# KiCad board AtariChocXE.kicad_pcb (continued)
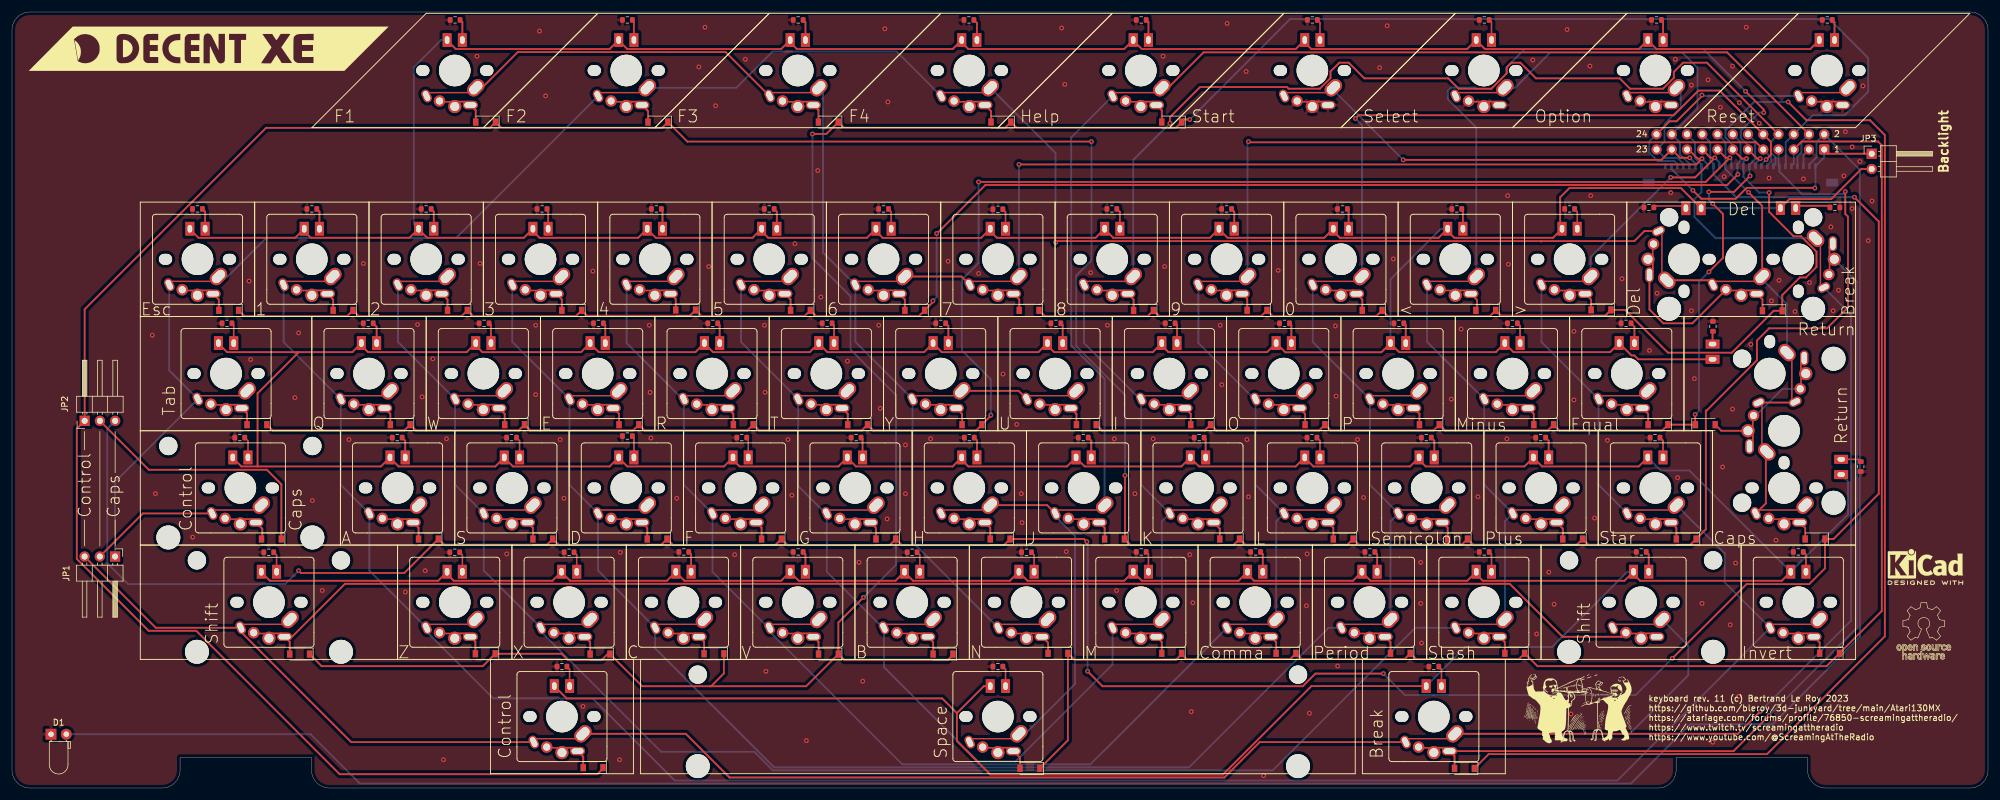
[diagram p0: board, top side]
## Nets
GND: D1.1 J1.3 J2.3 J2.26 R1.2 R2.2 R3.2 R4.2 R5.2 R6.2 R7.2 R8.2 R9.2 R10.2 R11.2 R12.2 R13.2 R14.2 R15.2 R16.2 R17.2 R18.2 R19.2 R20.2 R21.2 R22.2 R23.2 R24.2 R25.2 R26.2 R27.2 R28.2 R29.2 R30.2 R31.2 R32.2 R33.2 R34.2 R35.2 R36.2 R37.2 R38.2 R39.2 R40.2 R41.2 R42.2 R43.2 R44.2 R45.2 R46.2 R47.2 R48.2 R49.2 R50.2 R51.2 R52.2 R53.1 R54.2 R55.2 R56.2 R57.2 R58.2 R59.2 R60.2 R61.2 R62.2 R63.2 R64.2 R65.2 R66.2 R67.2 R68.1 SWOption1.2 SWReset1.2 SWSelect1.2 SWStart1.2
VCC_LED: JP3.2 SW0.4 SW1.4 SW2.4 SW3.4 SW4.4 SW5.4 SW6.4 SW7.4 SW8.4 SW9.4 SWA1.4 SWB1.4 SWBrk1.4 SWBrk2.4 SWC1.4 SWComma1.4 SWCps1.4 SWCtl1.4 SWCtlCaps1.4 SWD1.4 SWDash1.4 SWDel1.4 SWE1.4 SWEqual1.4 SWEsc1.4 SWF1.4 SWFn1.4 SWFn2.4 SWFn3.4 SWFn4.4 SWG1.4 SWGT1.4 SWH1.4 SWHlp1.4 SWI1.4 SWInv1.4 SWJ1.4 SWK1.4 SWL1.4 SWLeftSft1.4 SWLT1.4 SWM1.4 SWN1.4 SWO1.4 SWOption1.4 SWP1.4 SWPeriod1.4 SWPlus1.4 SWQ1.4 SWR1.4 SWReset1.4 SWRet1.4 SWRightSft1.4 SWS1.4 SWSelect1.4 SWSemi1.4 SWSlash1.4 SWSpc1.4 SWStar1.4 SWStart1.4 SWT1.4 SWTab1.4 SWU1.4 SWV1.4 SWW1.4 SWX1.4 SWY1.4 SWZ1.4
COL_1: J1.19 J2.19 SW6.1 SW7.1 SWFn1.1 SWFn3.1 SWN1.1 SWU1.1 SWY1.1
COL_2: J1.4 J2.4 SWH1.1 SWHlp1.1 SWJ1.1 SWSpc1.1
COL_3: J1.8 J2.8 SW5.1 SW8.1 SWB1.1 SWG1.1 SWI1.1 SWK1.1 SWM1.1 SWT1.1
COL_4: J1.9 J2.9 SW4.1 SW9.1 SWComma1.1 SWF1.1 SWL1.1 SWO1.1 SWR1.1 SWV1.1
COL_5: J1.10 J2.10 SW0.1 SW3.1 SWC1.1 SWD1.1 SWE1.1 SWP1.1 SWPeriod1.1 SWSemi1.1
COL_6: J1.11 J2.11 SW2.1 SWDash1.1 SWLT1.1 SWPlus1.1 SWS1.1 SWSlash1.1 SWW1.1 SWX1.1
COL_7: J1.17 J2.17 SW1.1 SWA1.1 SWEqual1.1 SWGT1.1 SWInv1.1 SWQ1.1 SWStar1.1 SWZ1.1
COL_8: J1.16 J2.16 JP1.1 SWCps1.1 SWDel1.1 SWDel2.1 SWEsc1.1 SWFn2.1 SWFn4.1 SWRet1.1 SWRet2.1 SWTab1.1
COL_9: J1.20 J2.20 JP1.3 SWBrk1.1 SWBrk2.1 SWCtl1.1 SWLeftSft1.1 SWRightSft1.1
LED: D1.2 J1.2 J2.2
OPTION: J1.23 J2.23 SWOption1.1
POWER: J1.1 J2.1 J2.25 JP3.1
RESET: J1.24 J2.24 SWReset1.1
ROW_1: D68.1 D79.1 D87.1 D95.1 D103.1 D111.1 D119.1 D126.1 J1.13 J2.13
ROW_2: D69.1 D80.1 D88.1 D96.1 D104.1 D112.1 D120.1 J1.14 J2.14
ROW_3: D70.1 D81.1 D89.1 D97.1 D105.1 D113.1 D121.1 J1.12 J2.12
ROW_4: D71.1 D82.1 D90.1 D98.1 D106.1 D114.1 D122.1 J1.15 J2.15
ROW_5: D72.1 D75.1 D83.1 D91.1 D99.1 D107.1 D115.1 D123.1 D127.1 J1.7 J2.7 JP2.1
ROW_6: D76.1 D84.1 D92.1 D100.1 D108.1 D116.1 D124.1 J1.18 J2.18 JP2.3
ROW_7: D73.1 D77.1 D85.1 D93.1 D101.1 D109.1 D117.1 J1.5 J2.5
ROW_8: D74.1 D78.1 D86.1 D94.1 D102.1 D110.1 D118.1 D125.1 D128.1 J1.6 J2.6
SELECT: J1.22 J2.22 SWSelect1.1
START: J1.21 J2.21 SWStart1.1
Net-(D72-Pad2): D72.2 SWFn1.2
Net-(D74-Pad2): D74.2 SWFn3.2
Net-(D76-Pad2): D76.2 SWH1.2
Net-(D79-Pad2): D79.2 SW8.2
Net-(D80-Pad2): D80.2 SW5.2
Net-(D85-Pad2): D85.2 SWM1.2
Net-(D87-Pad2): D87.2 SW9.2
Net-(D94-Pad2): D94.2 SWV1.2
Net-(D95-Pad2): D95.2 SW0.2
Net-(D96-Pad2): D96.2 SW3.2
Net-(D97-Pad2): D97.2 SWP1.2
Net-(D98-Pad2): D98.2 SWE1.2
Net-(D100-Pad2): D100.2 SWD1.2
Net-(D101-Pad2): D101.2 SWPeriod1.2
Net-(D102-Pad2): D102.2 SWC1.2
Net-(D106-Pad2): D106.2 SWW1.2
Net-(D107-Pad2): D107.2 SWPlus1.2
Net-(D110-Pad2): D110.2 SWX1.2
Net-(D116-Pad2): D116.2 SWA1.2
Net-(D118-Pad2): D118.2 SWZ1.2
Net-(D123-Pad2): D123.2 SWFn2.2
Net-(D127-Pad2): D127.2 SWCtl1.2
Net-(JP2-Pad2): D2.1 JP2.2
Net-(R1-Pad1): R1.1 SW7.3
Net-(R2-Pad1): R2.1 SW6.3
Net-(R3-Pad1): R3.1 SWU1.3
Net-(R4-Pad1): R4.1 SWY1.3
Net-(R5-Pad1): R5.1 SWFn1.3
Net-(R6-Pad1): R6.1 SWN1.3
Net-(R7-Pad1): R7.1 SWFn3.3
Net-(R8-Pad1): R8.1 SWJ1.3
Net-(R9-Pad1): R9.1 SWH1.3
Net-(R10-Pad1): R10.1 SWSpc1.3
Net-(R11-Pad1): R11.1 SWHlp1.3
Net-(R12-Pad1): R12.1 SW8.3
Net-(R13-Pad1): R13.1 SW5.3
Net-(R14-Pad1): R14.1 SWI1.3
Net-(R15-Pad1): R15.1 SWT1.3
Net-(R16-Pad1): R16.1 SWK1.3
Net-(R17-Pad1): R17.1 SWG1.3
Net-(R18-Pad1): R18.1 SWM1.3
Net-(R19-Pad1): R19.1 SWB1.3
Net-(R20-Pad1): R20.1 SW9.3
Net-(R21-Pad1): R21.1 SW4.3
Net-(R22-Pad1): R22.1 SWO1.3
Net-(R23-Pad1): R23.1 SWR1.3
Net-(R24-Pad1): R24.1 SWL1.3
Net-(R25-Pad1): R25.1 SWF1.3
Net-(R26-Pad1): R26.1 SWComma1.3
Net-(R27-Pad1): R27.1 SWV1.3
Net-(R28-Pad1): R28.1 SW0.3
Net-(R29-Pad1): R29.1 SW3.3
Net-(R30-Pad1): R30.1 SWP1.3
Net-(R31-Pad1): R31.1 SWE1.3
Net-(R32-Pad1): R32.1 SWSemi1.3
Net-(R33-Pad1): R33.1 SWD1.3
Net-(R34-Pad1): R34.1 SWPeriod1.3
Net-(R35-Pad1): R35.1 SWC1.3
Net-(R36-Pad1): R36.1 SWLT1.3
Net-(R37-Pad1): R37.1 SW2.3
Net-(R38-Pad1): R38.1 SWDash1.3
Net-(R39-Pad1): R39.1 SWW1.3
Net-(R40-Pad1): R40.1 SWPlus1.3
Net-(R41-Pad1): R41.1 SWS1.3
Net-(R42-Pad1): R42.1 SWSlash1.3
Net-(R43-Pad1): R43.1 SWX1.3
Net-(R44-Pad1): R44.1 SWGT1.3
Net-(R45-Pad1): R45.1 SW1.3
Net-(R46-Pad1): R46.1 SWEqual1.3
Net-(R47-Pad1): R47.1 SWQ1.3
Net-(R48-Pad1): R48.1 SWStar1.3
Net-(R49-Pad1): R49.1 SWA1.3
Net-(R50-Pad1): R50.1 SWInv1.3
Net-(R51-Pad1): R51.1 SWZ1.3
Net-(R52-Pad1): R52.1 SWDel1.3
Net-(R53-Pad2): R53.2 SWEsc1.3
Net-(R54-Pad1): R54.1 SWRet1.3
Net-(R55-Pad1): R55.1 SWTab1.3
Net-(R56-Pad1): R56.1 SWFn2.3
Net-(R57-Pad1): R57.1 SWCps1.3
Net-(R58-Pad1): R58.1 SWFn4.3
Net-(R59-Pad1): R59.1 SWRightSft1.3
Net-(R60-Pad1): R60.1 SWBrk1.3
Net-(R61-Pad1): R61.1 SWCtl1.3
Net-(R62-Pad1): R62.1 SWLeftSft1.3
Net-(R63-Pad1): R63.1 SWStart1.3
Net-(R64-Pad1): R64.1 SWSelect1.3
Net-(R65-Pad1): R65.1 SWOption1.3
Net-(R66-Pad1): R66.1 SWReset1.3
Net-(R67-Pad1): R67.1 SWCtlCaps1.3
Net-(R68-Pad2): R68.2 SWBrk2.3
Net-(SW1-Pad2): D112.2 SW1.2
Net-(SW2-Pad2): D104.2 SW2.2
Net-(SW4-Pad2): D88.2 SW4.2
Net-(SW6-Pad2): D69.2 SW6.2
Net-(SW7-Pad2): D68.2 SW7.2
Net-(SWB1-Pad2): D86.2 SWB1.2
Net-(SWBrk1-Pad2): D126.2 SWBrk1.2 SWBrk2.2
Net-(SWComma1-Pad2): D93.2 SWComma1.2
Net-(SWCps1-Pad2): D124.2 SWCps1.2
Net-(SWCtlCaps1-Pad1): JP1.2 SWCtlCaps1.1
Net-(SWCtlCaps1-Pad2): D2.2 SWCtlCaps1.2
Net-(SWDash1-Pad2): D105.2 SWDash1.2
Net-(SWDel1-Pad2): D119.2 SWDel1.2 SWDel2.2
Net-(SWEqual1-Pad2): D113.2 SWEqual1.2
Net-(SWEsc1-Pad2): D120.2 SWEsc1.2
Net-(SWF1-Pad2): D92.2 SWF1.2
Net-(SWFn4-Pad2): D125.2 SWFn4.2
Net-(SWG1-Pad2): D84.2 SWG1.2
Net-(SWGT1-Pad2): D111.2 SWGT1.2
Net-(SWHlp1-Pad2): D78.2 SWHlp1.2
Net-(SWI1-Pad2): D81.2 SWI1.2
Net-(SWInv1-Pad2): D117.2 SWInv1.2
Net-(SWJ1-Pad2): D75.2 SWJ1.2
Net-(SWK1-Pad2): D83.2 SWK1.2
Net-(SWL1-Pad2): D91.2 SWL1.2
Net-(SWLeftSft1-Pad2): D128.2 SWLeftSft1.2 SWRightSft1.2
Net-(SWLT1-Pad2): D103.2 SWLT1.2
Net-(SWN1-Pad2): D73.2 SWN1.2
Net-(SWO1-Pad2): D89.2 SWO1.2
Net-(SWQ1-Pad2): D114.2 SWQ1.2
Net-(SWR1-Pad2): D90.2 SWR1.2
Net-(SWRet1-Pad2): D121.2 SWRet1.2 SWRet2.2
Net-(SWS1-Pad2): D108.2 SWS1.2
Net-(SWSemi1-Pad2): D99.2 SWSemi1.2
Net-(SWSlash1-Pad2): D109.2 SWSlash1.2
Net-(SWSpc1-Pad2): D77.2 SWSpc1.2
Net-(SWStar1-Pad2): D115.2 SWStar1.2
Net-(SWT1-Pad2): D82.2 SWT1.2
Net-(SWTab1-Pad2): D122.2 SWTab1.2
Net-(SWU1-Pad2): D70.2 SWU1.2
Net-(SWY1-Pad2): D71.2 SWY1.2

Pads without a net: J2 MP

## Via types
v1: diameter 0.8, hole 0.4, Top to Bottom, 209 vias

## Routing (per net, layer and track width the routed paths; a pad name or vN(x,y) marks a point on that pad's centre or on a via; arc(x,y) is an arc through that point)
GND: length 3.2
  Bottom w0.305: J2.3 298.45,105.46 J1.3
  vias: v1(23.37,75.45) v1(23.88,49.04) v1(30.1,41.8) v1(39.5,84.47) v1(39.75,71.39) v1(47.12,65.04) v1(47.75,75.83) v1(50.04,47.89) v1(51.69,32.91) v1(56.13,58.05) v1(58.55,87.39) v1(65.53,32.65) v1(67.56,77.23) v1(68.33,65.16) v1(68.83,36.21) v1(70.1,71.52) v1(71.88,4.71) v1(72.39,58.18) v1(77.47,121.93) v1(77.98,87.39) v1(82.42,39) v1(87.25,77.1) v1(87.25,65.55) v1(87.88,126.12) v1(88.9,115.33) v1(91.31,58.05) v1(91.95,48.27) v1(95.12,13.6) v1(96.77,86.12) v1(101.22,4.71) v1(101.35,39.26) v1(106.17,77.1) v1(106.3,65.93) v1(106.43,58.31) v1(110.74,48.27) v1(114.43,120.16) v1(115.44,126.76) v1(116.08,86.88) v1(117.22,113.68) v1(120.4,38.88) v1(122.17,121.43) v1(125.35,77.1) v1(125.48,65.93) v1(125.6,19.44) v1(129.29,58.05) v1(129.92,48.78) v1(130.43,90.69) v1(132.33,7.89) v1(134.24,102.88) v1(134.75,81.8) v1(139.19,71.13) v1(141.1,37.61) v1(141.73,17.79) v1(144.4,77.1) v1(144.65,63.26) v1(145.42,126.51) v1(145.8,44.84) v1(145.92,114.31) v1(148.84,57.16) v1(148.84,49.04) v1(153.04,58.18) v1(155.96,87.77) v1(161.04,85.74) v1(165.1,68.97) v1(167.39,60.59) v1(168.15,49.04) v1(168.27,44.21) v1(174.88,126.63) v1(175.39,117.23) v1(175.64,39.38) v1(179.7,85.87) v1(182.5,77.1) v1(183.64,58.18) v1(184.02,32.91) v1(187.07,49.04) v1(190.12,58.18) v1(191.77,121.93) v1(192.02,86.88) v1(196.21,38.88) v1(196.47,12.71) v1(196.72,30.88) v1(201.3,77.1) v1(201.55,67.2) v1(202.44,127.39) v1(205.61,119.39) v1(205.74,58.05) v1(205.99,48.53) v1(208.53,2.05) v1(210.95,86.25) v1(215.65,30.37) v1(215.77,39) v1(216.15,12.46) v1(220.47,76.98) v1(220.6,65.29) v1(220.85,20.33) v1(224.15,58.05) v1(225.17,48.4) v1(227.84,120.03) v1(229.11,127.01) v1(230.12,88.15) v1(234.7,37.61) v1(234.7,30.75) v1(234.82,24.14) v1(239.78,64.78) v1(241.43,76.47) v1(244.22,48.53) v1(249.05,58.18) v1(249.17,98.69) v1(249.3,87.26) v1(253.37,121.3) v1(254,25.67) v1(256.03,35.95) v1(256.92,30.62) v1(259.08,126.38) v1(259.71,12.33) v1(260.22,76.09) v1(260.22,64.66) v1(262.89,120.28) v1(263.02,98.69) v1(263.65,44.97) v1(265.81,57.93) v1(268.22,84.85) v1(272.8,72.91) v1(274.07,82.44) v1(276.35,99.2) v1(277.11,121.43) v1(277.5,51.7) v1(279.78,117.11) v1(279.78,79.52) v1(280.29,68.21) v1(281.56,30.75) v1(282.57,118) v1(283.34,7.63) v1(284.61,113.42) v1(284.99,53.48) v1(285.24,101.87) v1(286.26,27.19) v1(286.64,120.28) v1(286.64,63.13) v1(287.15,37.48) v1(287.65,15.25) v1(287.78,114.19) v1(288.93,126.76) v1(289.69,73.93) v1(291.08,110.76) v1(292.74,101.61) v1(293.12,81.17) v1(293.88,41.29) v1(294.39,84.6) v1(297.05,79.39) v1(298.45,101.49) v1(299.47,84.22) v1(303.02,93.49) v1(303.4,79.52) v1(304.29,82.94) v1(305.18,102) v1(305.44,109.36) v1(306.58,106.82) v1(306.58,96.53) v1(307.85,104.41) v1(308.36,116.98) v1(309.25,91.2) v1(309.88,97.8)
VCC_LED: length 1667.7
  Top w0.305: SWQ1.4 56.7,72.63 47.77,72.63 ; SW1.4 47.18,91.68 31.07,91.68 29.63,93.12 ; SW3.4 85.28,91.68 69.17,91.68 67.73,93.12 ; SWFn2.4 99.57,123.13 73.93,123.13 72.49,124.57 ; SW2.4 66.23,91.68 49.78,91.68 48.68,92.78 ; 129.64,124.23 130.74,123.13 156.72,123.13 SWFn4.4 ; 157.42,12.47 161.93,16.98 SWSpc1.4 ; 157.42,12.47 154.96,14.93 92.4,14.93 SWCtl1.4 ; 157.42,12.47 157.42,7.81 162.98,2.25 201.75,2.25 216.48,16.98 SWBrk2.4 ; 41.54,35.97 42.97,34.53 70.99,34.53 SWZ1.4 ; 134.4,74.07 135.84,72.63 151.95,72.63 SWY1.4 ; SWInv1.4 294.83,34.53 271.24,34.53 270.14,35.63 ; 167.74,35.97 169.18,34.53 185.29,34.53 SWM1.4 ; 158.22,124.23 159.32,123.13 185.29,123.13 SWHlp1.4 ; 115.36,74.07 116.79,72.63 132.9,72.63 SWT1.4 ; 243.94,35.63 245.04,34.53 268.63,34.53 SWRightSft1.4 ; 253.47,55.02 254.91,53.58 271.02,53.58 SWStar1.4 ; 82.02,55.02 83.46,53.58 99.57,53.58 SWD1.4 ; 91.54,35.97 92.98,34.53 109.09,34.53 SWC1.4 ; 201.08,93.12 202.52,91.68 218.63,91.68 SW0.4 ; SW4.4 104.33,91.68 87.88,91.68 86.78,92.78 ; SW9.4 199.58,91.68 183.47,91.68 182.03,93.12 ; SWDash1.4 247.2,72.63 231.09,72.63 229.65,74.07 ; SWOption1.4 271.03,123.13 245.38,123.13 243.94,124.57 ; 72.49,35.63 73.59,34.53 90.04,34.53 SWX1.4 ; 148.69,35.97 150.13,34.53 166.24,34.53 SWN1.4 ; 186.79,35.97 188.23,34.53 204.34,34.53 SWComma1.4 ; 62.97,55.02 64.41,53.58 80.52,53.58 SWS1.4 ; 143.93,92.78 145.05,91.66 161.46,91.66 SW7.4 ; SWR1.4 113.85,72.63 97.74,72.63 96.31,74.07 ; SWB1.4 147.19,34.53 131.08,34.53 129.64,35.97 ; SWA1.4 61.47,53.58 40.91,53.58 ; 101.07,55.02 102.51,53.58 118.62,53.58 SWF1.4 ; SWPeriod1.4 223.39,34.53 206.94,34.53 205.84,35.63 ; 58.2,73.73 59.31,72.63 75.75,72.63 SWW1.4 ; SWReset1.4 299.59,123.13 273.97,123.13 272.53,124.57 ; SWG1.4 137.67,53.58 121.22,53.58 120.12,54.68 ; SWP1.4 228.13,72.61 212.13,72.61 SWO1.4 209.1,72.63 192.66,72.63 191.56,73.73 ; JP3.2 308.11,103.14 303.09,98.13 296.12,98.13 SWBrk1.4 ; 105.83,93.12 107.27,91.68 123.38,91.68 SW5.4 ; 77.25,73.73 78.36,72.63 94.8,72.63 SWE1.4 ; 47.77,72.63 35.83,72.63 34.39,74.07 ; 47.77,72.63 40.91,65.77 40.91,53.58 ; 101.07,124.57 102.51,123.13 128.14,123.13 SWFn3.4 ; SWDel1.4 278.04,99.96 262.89,99.96 262.88,99.97 259.47,99.97 257.92,98.42 257.92,93.49 SWGT1.4 256.73,91.68 240.28,91.68 239.18,92.78 ; 186.79,124.57 188.23,123.13 213.87,123.13 SWStart1.4 ; SW6.4 142.43,91.68 125.98,91.68 124.88,92.78 ; SWK1.4 194.82,53.58 178.71,53.58 177.27,55.02 ; SWJ1.4 175.77,53.58 159.32,53.58 158.22,54.68 ; SWPlus1.4 251.97,53.58 235.52,53.58 234.42,54.68 ; 215.37,55.02 216.81,53.58 232.92,53.58 SWSemi1.4 ; SW8.4 180.53,91.68 164.08,91.68 162.98,92.78 ; 220.13,92.78 221.23,91.68 237.68,91.68 SWLT1.4 ; SWH1.4 156.72,53.58 140.61,53.58 139.17,55.02 ; 248.7,74.07 250.14,72.63 266.25,72.63 SWEqual1.4 269.81,72.08 270.28,72.08 270.93,71.43 SWRet1.4 ; SWI1.4 190.05,72.63 173.61,72.63 172.5,73.73 ; SWSlash1.4 242.44,34.53 226.33,34.53 224.89,35.97 ; SWV1.4 128.14,34.53 112.03,34.53 110.59,35.97 ; 196.32,55.02 197.76,53.58 213.87,53.58 SWL1.4 ; SWU1.4 171,72.63 154.89,72.63 153.45,74.07 ; 40.91,53.58 38.21,53.58 36.77,55.02 ; 215.37,124.23 216.47,123.13 242.44,123.13 SWSelect1.4
  Bottom w0.305: SWDel1.4 294.59,96.6 ; SWRightSft1.4 269.11,36.03 256.58,23.5 242.13,23.5 SWBrk2.4 ; SWLT1.4 238.07,93.18 229.65,84.76 SWP1.4 ; SWStar1.4 274.7,52.9 279.46,52.9 SWInv1.4 305.87,45.57 305.87,51.1 SWCps1.4 ; SWFn1.4 71.47,124.63 66.93,120.09 66.93,93.98 SW2.4
COL_1: length 316
  Top w0.305: SWFn3.1 118.89,122.62 84.26,122.62 78.31,116.68 ; SWU1.1 167.69,66.18 SWY1.1 ; v1(167.77,103.9) 280.59,103.9 v1(281.56,104.86) 280.84,104.86 279.31,106.39 ; SW6.1 158.17,85.23 SW7.1
  Bottom w0.305: J2.19 282.45,103.97 v1(281.56,104.86) ; SWN1.1 150.02,40.99 150.02,64.8 140.5,74.33 SW6.1 135.11,89.24 135.11,115.98 SWFn3.1 ; v1(167.77,103.9) 167.75,103.88 SW7.1
COL_2: length 246.7
  Top w0.305: J1.4 285.73,122.58 198.51,122.58 192.61,116.68 ; SWH1.1 172.46,47.13 SWJ1.1
  Bottom w0.305: 173.84,45.24 177.09,41.99 177.09,17.31 168.8,9.03 ; SWHlp1.1 176.47,108.41 176.47,73.73 182.04,68.16 SWJ1.1 ; J1.4 298.11,107.66 298.11,105.88 297.45,105.22 J2.4
COL_3: length 347.6
  Top w0.305: J1.8 282.37,120.85 278.39,120.85 276.86,119.32 276.86,118.33 275.05,116.52 269.57,116.52 267.85,118.25 253.89,118.25 251.28,120.85 249.8,120.85 249.04,120.09 249.04,119.1 246.47,116.52 241,116.52 239.27,118.25 225.31,118.25 222.71,120.85 221.12,120.85 219.66,119.39 219.66,118.3 217.89,116.52 212.68,116.52 212.4,116.8 197.94,116.8 192.91,111.77 v1(192.91,110.76)
  Bottom w0.305: SW8.1 186.8,104.65 v1(192.91,110.76) ; SW5.1 121.45,74.33 SWT1.1 130.98,50.32 135.54,45.75 ; J1.8 293.1,107.73 293.1,105.81 293.1,105.81 293.79,105.12 293.79,103.95 J2.8 ; 145.07,26.7 135.74,36.03 SWG1.1 ; SWM1.1 191.56,44.42 SWK1.1 188.12,50.51 SWI1.1 ; SWB1.1 145.26,20.13 160.95,4.45 167.21,4.45 183.36,20.6 SWM1.1 ; SW8.1 178.6,74.13 187.93,64.8
COL_4: length 335.9
  Top w0.305: v1(205.99,107.71) 206.11,107.59 290.56,107.59 J1.9
  Bottom w0.305: 206.98,64.8 197.65,74.13 SW9.1 ; SWO1.1 207.18,50.51 SWL1.1 210.61,44.42 SWComma1.1 ; 126.21,26.06 148.33,3.94 179.66,3.94 SWComma1.1 ; v1(205.99,107.71) 205.85,107.57 SW9.1 ; 126.02,26.7 116.69,36.03 SWF1.1 111.92,50.51 111.92,64.8 ; SW4.1 102.4,74.13 111.73,64.8 ; 292.45,103.85 293.03,104.43 293.03,105.12 J1.9
COL_5: length 370.7
  Top w0.305: v1(223.81,111.56) 224.35,112.1 276.85,112.1 280.96,116.21 284.48,116.21 J1.10 293.03,107.66 293.03,105.5 v1(292.24,104.71)
  Bottom w0.305: 291.45,103.92 v1(292.24,104.71) ; SW0.1 224.9,110.47 v1(223.81,111.56) ; SW3.1 83.35,74.33 SWE1.1 92.88,50.51 SWD1.1 97.64,36.22 SWC1.1 107.16,23.25 126.97,3.44 196.08,3.44 219.34,26.7 SWPeriod1.1 ; SW0.1 216.7,74.33 SWP1.1 226.23,50.51 SWSemi1.1 229.66,44.42 SWPeriod1.1
COL_6: length 407.9
  Top w0.305: v1(291.25,104.86) 290.74,104.86 J1.11 ; v1(291.85,112.54) 291.85,113.04 v1(288.8,116.09)
  Bottom w0.305: SWLT1.1 243.95,110.06 239.21,114.8 239.21,116.13 239.8,116.73 243.75,116.73 244.01,116.47 246.42,116.47 248.92,118.98 248.92,120.03 252.02,123.13 281.76,123.13 v1(288.8,116.09) ; SWLT1.1 235.75,74.33 SWDash1.1 245.27,50.51 SWPlus1.1 248.71,44.42 SWSlash1.1 ; 88.11,26.06 108.13,6.04 123.66,6.04 126.76,2.93 210.02,2.93 233.79,26.7 SWSlash1.1 ; J2.11 290.45,104.06 v1(291.25,104.86) ; SWX1.1 78.59,36.22 SWS1.1 73.83,50.51 SWW1.1 64.3,74.33 SW2.1 ; v1(291.85,112.54) 291.08,112.54 288.02,109.47 288.02,108.3 289.22,107.1 J1.11
COL_7: length 417.7
  Top w0.305: v1(276.35,101.74) 280.42,101.74 v1(283.69,105.01) 282.98,105.01 J1.17
  Bottom w0.305: SWStar1.1 285.33,39.08 285.33,34.27 SWInv1.1 267.45,1.25 110.4,1.25 96.72,14.93 80.19,14.93 69.06,26.06 ; J2.17 284.45,104.25 v1(283.69,105.01) ; SW1.1 45.25,74.33 54.78,64.8 54.78,50.51 SWA1.1 59.54,36.22 SWZ1.1 ; v1(276.35,101.74) 272.76,98.15 272.7,98.15 263,88.45 SWGT1.1 ; SWGT1.1 254.8,74.33 SWEqual1.1 264.32,50.51 SWStar1.1
COL_8: length 380.2
  Top w0.305: 292.19,55.87 292.19,47.42 SWCps1.1 ; SWDel2.1 282.62,84.6 SWDel1.1 ; SWRet2.1 296.96,64.22 ; v1(289.31,99.25) 291.57,96.98 SWDel2.1 ; v1(173.86,90.93) 174.06,91.13 254.7,91.13 254.76,91.07 254.82,91.13 270.29,91.13 271.96,92.8 SWDel1.1
  Bottom w0.305: SWRet1.1 295.71,80.61 291.57,84.74 ; JP1.1 17.17,51.01 SWTab1.1 26.2,69.56 SWEsc1.1 ; SWEsc1.1 35.94,85.23 42.39,91.68 74.02,91.68 SWFn2.1 ; v1(173.86,90.93) 173.86,105.8 SWFn4.1 ; SWFn2.1 120.67,116.68 126.69,122.7 147.39,122.7 SWFn4.1 ; J1.16 285.45,107.62 J2.16 285.45,103.11 v1(289.31,99.25)
COL_9: length 451.7
  Top w0.305: v1(291.27,12.78) 287.53,9.03 SWBrk2.1 ; SWCtl1.1 56.51,7.65 38.11,26.06 ; SWCtl1.1 112.25,9.03 119.54,1.74 201.96,1.74 207.87,7.65 SWBrk2.1 ; SWLeftSft1.1 23.96,26.7 12.09,38.57
  Bottom w0.305: J2.20 281.45,99.25 280.29,98.09 280.29,95.14 283.83,91.6 SWBrk1.1 ; SWBrk1.1 306.37,78.88 306.37,27.88 v1(291.27,12.78) ; J1.20 280.4,107.59 280.4,104.96 281.45,103.91 ; SWRightSft1.1 279.27,23.71 279.27,18.81 269.49,9.03 SWBrk2.1
LED: length 404.6
  Bottom w0.305: 299.45,103.91 300.65,105.11 300.65,107.66 J1.2 307.85,103 307.85,25.16 293.31,10.62 279.59,10.62 269.72,0.74 57.94,0.74 49.73,8.96 D1.2
OPTION: length 18.1
  Bottom w0.305: J2.23 278.45,104.01 277.5,104.97 275.4,104.97 J1.23 275.32,107.73 275.32,110.68 278,113.36 278,115.98 SWOption1.1
POWER: length 42.4
  Top w0.305: J1.1 302.62,105.68 JP3.1 ; v1(300.35,99.96) 300.32,100 288.99,100 287.18,98.19 281.43,98.19 v1(280.03,99.58)
  Bottom w0.305: v1(300.35,99.96) 300.45,100.06 J2.1 301.92,105.08 J1.1 ; v1(280.03,99.58) 276.45,103.17 J2.25
RESET: length 35.6
  Top w0.305: v1(281.55,115.46) 281.55,115.32 277.32,111.09 276.14,111.09 J1.24
  Bottom w0.305: 277.45,103.93 276.92,104.46 274.21,104.46 272.78,105.89 272.78,107.73 J1.24 ; v1(281.55,115.46) 281.71,115.3 SWReset1.1
ROW_1: length 367.2
  Top w0.305: D126.1 246.01,5.65 292.4,5.65 312.01,25.26 312.01,108.79 309.53,111.27 298.96,111.27 v1(295.91,114.31) ; v1(288.96,104.86) 288.2,104.86 J1.13 ; D68.1 172.08,78.62 189.2,78.62 D79.1 191.09,78.64 208.13,78.64 D87.1 210.03,78.64 227.3,78.64 228.26,79.59 229.21,78.64 246.23,78.64 D103.1 248.06,78.71 265.43,78.71 D111.1 268.75,79.66 275.88,72.53 286.52,72.53 293.5,79.52 D119.1 294.92,82.14 297.86,85.07 298.88,85.07 300.63,86.82 300.63,89.35 298.05,91.93 296.81,91.93 292.74,96.01 v1(292.74,99.2)
  Bottom w0.305: v1(295.91,114.31) 290.23,114.31 285.48,109.56 285.48,108.37 286.68,107.16 J1.13 ; v1(292.74,99.2) 291.08,99.2 288.45,101.84 J2.13 288.45,104.35 v1(288.96,104.86)
ROW_2: length 277.7
  Top w0.305: v1(154.05,92.41) 154.11,92.41 162.17,100.47 285.75,100.47 v1(287.53,102.25) ; v1(153.42,81.17) 153.42,80.95 D69.1 151.1,78.64 133.96,78.64 D80.1 132.05,78.64 114.89,78.64 D88.1 112.93,78.69 95.81,78.69 D96.1 93.95,78.64 76.81,78.64 D104.1 74.9,78.64 57.76,78.64 D112.1 55.85,78.64 38.71,78.64 D120.1
  Bottom w0.305: v1(287.53,102.25) 287.45,102.33 J2.14 287.45,103.96 287.95,104.46 287.95,107.66 J1.14 ; v1(153.42,81.17) 154.05,81.8 v1(154.05,92.41)
ROW_3: length 161
  Top w0.305: v1(282.7,99.33) 286.89,99.33 v1(289.56,102) ; v1(280.42,62.24) 280.42,60.58 ; v1(283.34,97.35) 285.05,95.64 285.05,88.34 v1(282.7,85.99) ; D121.1 D113.1 274.93,59.59 257.78,59.59 D105.1 255.88,59.59 238.73,59.59 D97.1 236.83,59.59 219.68,59.59 D89.1 217.78,59.59 200.63,59.59 D81.1 198.73,59.59 181.58,59.59 D70.1
  Bottom w0.305: J1.12 290.42,107.73 290.42,104.8 289.45,103.82 ; v1(289.56,102) 289.45,102.11 J2.12 ; v1(282.7,99.33) 282.7,97.99 v1(283.34,97.35) ; v1(280.42,62.24) 281.04,62.87 281.04,84.33 v1(282.7,85.99)
ROW_4: length 299
  Top w0.305: D122.1 43.41,59.59 65.38,59.59 D114.1 67.28,59.59 84.43,59.59 D106.1 86.33,59.59 103.48,59.59 D98.1 105.38,59.59 122.53,59.59 D90.1 124.43,59.59 141.58,59.59 D82.1 143.48,59.59 160.63,59.59 D71.1 163.07,62.03 v1(163.07,62.12) ; J1.15 285.51,105.02 v1(286.2,105.02) 282.16,100.98 v1(161.04,100.98)
  Bottom w0.305: v1(163.07,62.12) 163.07,68.08 158.24,72.9 158.24,84.68 161.04,87.48 v1(161.04,100.98) ; J2.15 286.45,104.77 v1(286.2,105.02)
ROW_5: length 588.4
  Top w0.305: D75.1 186.35,40.47 203.49,40.47 D83.1 205.46,40.54 222.48,40.54 D91.1 224.38,40.54 241.53,40.54 D99.1 243.43,40.54 260.71,40.54 D107.1 262.61,40.54 279.63,40.54 D115.1 282.19,43.1 282.19,62.88 282.31,62.88 290.7,71.27 290.7,74.56 292.74,76.59 302.39,76.59 305.87,80.08 305.87,95.21 305.42,95.66 v1(305.42,99.39) ; 98.46,3.24 97.52,2.3 54.59,2.3 30.69,26.2 22.76,26.2 10.8,38.16 10.8,59.87 JP2.1 12.1,79.77 42.33,110 79.59,110 D72.1 81.51,110.01 108.31,110.01 D123.1 112.51,107.71 v1(179.83,107.71) ; 185.42,41.58 v1(185.42,52.08)
  Bottom w0.305: J1.7 294.3,103.76 J2.7 294.45,102.69 298.2,98.95 304.97,98.95 v1(305.42,99.39) ; v1(185.42,52.08) 185.42,65.49 177.29,73.62 177.29,85.38 179.83,87.92 v1(179.83,107.71)
ROW_6: length 453.8
  Top w0.305: v1(179.2,19.44) 181.68,16.96 215.05,16.96 217.15,19.06 v1(228.47,19.06) ; v1(47.75,36.21) 48.13,35.83 65.37,35.83 D116.1 71.98,40.54 89.13,40.54 D108.1 91.03,40.54 108.18,40.54 D100.1 110.15,40.47 127.17,40.47 D92.1 129.2,40.47 146.21,40.47 D84.1 148.25,40.47 165.26,40.47 166.28,41.49 178.61,41.49 v1(179.07,41.03) ; v1(306.96,98.44) 311,94.39 311,49.04 303.46,41.49 D124.1 302.04,36.6 299.42,33.98 288.98,33.98 v1(276.61,21.6)
  Bottom w0.305: v1(306.96,98.44) 287.26,98.44 283.45,102.25 J2.18 283.45,104.03 282.94,104.54 282.94,107.59 J1.18 ; v1(179.2,19.44) 179.2,40.91 v1(179.07,41.03) ; v1(276.61,21.6) 270.48,15.48 232.06,15.48 v1(228.47,19.06) ; v1(47.75,36.21) 45.52,33.98 19.36,33.98 15.88,37.46 15.88,59.87 JP2.3
ROW_7: length 260.6
  Top w0.305: J1.5 298.18,107.73 310.88,107.73 311.51,107.1 311.51,29.49 D117.1 302.31,20.3 254.15,20.3 D109.1 251.05,21.49 233.91,21.49 D101.1 232,21.49 214.86,21.49 D93.1 212.95,21.49 195.68,21.49 194.86,22.31 193.9,21.36 177.01,21.36 175.93,22.44 ; D77.1 175.91,7.94 D73.1
  Bottom w0.305: J1.5 296.84,104 J2.5
ROW_8: length 432.7
  Top w0.305: D128.1 51.58,20.3 78.43,20.3 D118.1 91.57,22.37 92.64,21.3 98.21,21.3 99.23,22.31 D110.1 104.97,16.96 116.27,16.96 ; 116.27,16.96 132.31,16.96 D94.1 ; 116.27,16.96 116.48,16.96 118.6,19.08 D102.1 ; D94.1 137.67,27.57 v1(141.86,31.76) ; D94.1 138.68,21.3 155.87,21.3 156.76,22.19 ; v1(196.21,111.39) 195.29,111.39 D78.1 193.9,110.01 167.36,110.01 D125.1 165.46,110.01 138.61,110.01 D74.1 135.68,108.98 v1(133.35,108.98)
  Bottom w0.305: v1(141.86,31.76) 147.27,37.17 147.27,65.47 139.7,73.04 139.7,81.92 133.35,88.27 v1(133.35,108.98) ; v1(196.21,111.39) 212.97,128.15 302.72,128.15 309.25,121.62 309.25,116.04 305.3,112.1 300.01,112.1 J1.6 295.5,107.59 295.5,103.66
SELECT: length 55
  Bottom w0.305: J2.22 279.45,104.01 277.86,105.61 277.86,107.59 J1.22 280.8,113.21 280.8,120.03 278.27,122.56 275.07,122.56 275.05,122.58 256.29,122.58 250.4,116.68 SWSelect1.1
START: length 67.3
  Top w0.305: v1(279.51,105.01) 277.89,105.01 J1.21 274.79,104.66 v1(231.77,104.66)
  Bottom w0.305: v1(231.77,104.66) 220.14,116.3 ; J2.21 280.45,104.08 v1(279.51,105.01)
Net-(D72-Pad2): length 3.2
  Top w0.305: SWFn1.2 77.26,112.91 D72.2
Net-(D74-Pad2): length 3.2
  Top w0.305: SWFn3.2 134.36,112.96 D74.2
Net-(D76-Pad2): length 3.1
  Top w0.305: D76.2 162.98,43.36 SWH1.2
Net-(D79-Pad2): length 3.2
  Top w0.305: SW8.2 186.86,81.39 D79.2
Net-(D80-Pad2): length 3.2
  Top w0.305: D80.2 129.71,81.39 SW5.2
Net-(D85-Pad2): length 3.3
  Top w0.305: SWM1.2 191.56,24.31 191.56,22.31
Net-(D87-Pad2): length 3.1
  Top w0.305: SW9.2 205.78,81.52 D87.2
Net-(D94-Pad2): length 3.2
  Top w0.305: D94.2 134.37,24.34 SWV1.2
Net-(D95-Pad2): length 3.2
  Top w0.305: SW0.2 224.96,81.39 D95.2
Net-(D96-Pad2): length 3.2
  Top w0.305: D96.2 91.61,81.39 SW3.2
Net-(D97-Pad2): length 3.2
  Top w0.305: SWP1.2 234.48,62.34 D97.2
Net-(D98-Pad2): length 3.2
  Top w0.305: D98.2 101.13,62.34 SWE1.2
Net-(D100-Pad2): length 3.1
  Top w0.305: D100.2 105.83,43.36 SWD1.2
Net-(D101-Pad2): length 3.1
  Top w0.305: D101.2 229.66,24.31 SWPeriod1.2
Net-(D102-Pad2): length 3.2
  Top w0.305: D102.2 115.3,24.36 SWC1.2
Net-(D106-Pad2): length 3.2
  Top w0.305: D106.2 82.08,62.34 SWW1.2
Net-(D107-Pad2): length 3.2
  Top w0.305: SWPlus1.2 258.36,43.23 D107.2
Net-(D110-Pad2): length 3.3
  Top w0.305: D110.2 96.32,24.29 SWX1.2
Net-(D116-Pad2): length 3.1
  Top w0.305: D116.2 67.73,43.36 SWA1.2
Net-(D118-Pad2): length 3.2
  Top w0.305: D118.2 77.2,24.36 SWZ1.2
Net-(D123-Pad2): length 3.3
  Top w0.305: SWFn2.2 105.96,112.78 D123.2
Net-(D127-Pad2): length 3.1
  Top w0.305: D127.2 95.16,5.21 SWCtl1.2
Net-(JP2-Pad2): length 43.7
  Top w0.305: JP2.2 22.79,53.03 42.46,53.03 44.88,50.61 44.88,41.5
Net-(R1-Pad1): length 3.4
  Top w0.25: R1.1 165.52,95.99 SW7.3
Net-(R2-Pad1): length 3.5
  Top w0.25: SW6.3 146.47,96.04 R2.1
Net-(R3-Pad1): length 3.4
  Top w0.305: SWU1.3 175.05,77.11 R3.1
Net-(R4-Pad1): length 3.5
  Top w0.305: SWY1.3 156,76.99 R4.1
Net-(R5-Pad1): length 3.5
  Top w0.305: SWFn1.3 75.03,127.6 R5.1
Net-(R6-Pad1): length 3.4
  Top w0.25: SWN1.3 170.28,38.84 R6.1
Net-(R7-Pad1): length 3.5
  Top w0.305: SWFn3.3 132.18,127.6 R7.1
Net-(R8-Pad1): length 3.5
  Top w0.305: R8.1 179.81,57.87 SWJ1.3
Net-(R9-Pad1): length 3.5
  Top w0.305: SWH1.3 160.76,57.94 R9.1
Net-(R10-Pad1): length 3.4
  Top w0.25: R10.1 165.52,19.79 SWSpc1.3
Net-(R11-Pad1): length 3.5
  Top w0.305: 188.95,127.98 189.33,127.6 SWHlp1.3
Net-(R12-Pad1): length 3.5
  Top w0.305: R12.1 184.57,95.97 SW8.3
Net-(R13-Pad1): length 3.5
  Top w0.305: SW5.3 127.42,96.04 126.98,96.48
Net-(R14-Pad1): length 3.4
  Top w0.305: SWI1.3 194.1,77.11 R14.1
Net-(R15-Pad1): length 3.4
  Top w0.305: R15.1 136.94,77.11 SWT1.3
Net-(R16-Pad1): length 3.4
  Top w0.305: SWK1.3 198.86,58.13 R16.1
Net-(R17-Pad1): length 3.4
  Top w0.305: SWG1.3 141.71,58.13 R17.1
Net-(R18-Pad1): length 3.5
  Top w0.25: 188.95,39.33 189.33,38.95 SWM1.3
Net-(R19-Pad1): length 3.4
  Top w0.25: SWB1.3 151.23,38.84 R19.1
Net-(R20-Pad1): length 3.5
  Top w0.305: SW9.3 203.62,96.04 R20.1
Net-(R21-Pad1): length 3.1
  Top w0.305: SW4.3 108.37,96.29
Net-(R22-Pad1): length 3.4
  Top w0.305: 212.83,77.43 213.14,77.11 213.14,74.13
Net-(R23-Pad1): length 3.4
  Top w0.305: SWR1.3 117.89,77.11 R23.1
Net-(R24-Pad1): length 3.5
  Top w0.25: SWL1.3 217.91,57.87 R24.1
Net-(R25-Pad1): length 3
  Top w0.25: SWF1.3 122.66,58.13
Net-(R26-Pad1): length 3.5
  Top w0.305: R26.1 208.38,38.95 SWComma1.3
Net-(R27-Pad1): length 3.5
  Top w0.305: R27.1 132.18,38.95 SWV1.3
Net-(R28-Pad1): length 3.1
  Top w0.305: SW0.3 222.67,96.29
Net-(R29-Pad1): length 3.1
  Top w0.305: SW3.3 89.32,96.29
Net-(R30-Pad1): length 3.4
  Top w0.305: R30.1 232.19,77.11 SWP1.3
Net-(R31-Pad1): length 3.4
  Top w0.305: SWE1.3 98.84,77.11 R31.1
Net-(R32-Pad1): length 3.5
  Top w0.305: 236.45,58.38 236.96,57.87 SWSemi1.3
Net-(R33-Pad1): length 3.7
  Top w0.305: 103.35,58.64 103.61,58.38 SWD1.3
Net-(R34-Pad1): length 3.5
  Top w0.305: SWPeriod1.3 227.43,38.95 R34.1
Net-(R35-Pad1): length 3.5
  Top w0.305: R35.1 113.13,38.95 SWC1.3
Net-(R36-Pad1): length 3.1
  Top w0.305: SWLT1.3 241.72,96.29
Net-(R37-Pad1): length 3.5
  Top w0.305: R37.1 70.27,96.04 SW2.3
Net-(R38-Pad1): length 3.5
  Top w0.305: SWDash1.3 251.25,76.99 R38.1
Net-(R39-Pad1): length 3.4
  Top w0.305: R39.1 79.8,77.11 SWW1.3
Net-(R40-Pad1): length 3.5
  Top w0.305: SWPlus1.3 256.01,57.87 R40.1
Net-(R41-Pad1): length 3.5
  Top w0.25: R41.1 84.56,57.87 SWS1.3
Net-(R42-Pad1): length 3.5
  Top w0.25: SWSlash1.3 246.48,38.95 R42.1
Net-(R43-Pad1): length 3.4
  Top w0.25: R43.1 94.08,38.84 SWX1.3
Net-(R44-Pad1): length 3.5
  Top w0.25: R44.1 260.77,96.04 SWGT1.3
Net-(R45-Pad1): length 3.5
  Top w0.305: R45.1 51.22,96.04 SW1.3
Net-(R46-Pad1): length 3.5
  Top w0.305: 269.72,77.43 270.29,76.86 SWEqual1.3
Net-(R47-Pad1): length 3.5
  Top w0.305: R47.1 60.75,76.86 SWQ1.3
Net-(R48-Pad1): length 3.5
  Top w0.305: SWStar1.3 275.06,57.87 R48.1
Net-(R49-Pad1): length 3.5
  Top w0.305: R49.1 65.51,57.87 SWA1.3
Net-(R50-Pad1): length 3.5
  Top w0.305: SWInv1.3 298.87,38.89 R50.1
Net-(R51-Pad1): length 3.4
  Top w0.25: SWZ1.3 75.03,38.84 R51.1
Net-(R52-Pad1): length 4.7
  Top w0.25: 273.78,96.98 278.48,96.98
Net-(R53-Pad2): length 3.5
  Top w0.305: SWEsc1.3 32.17,96.04 R53.2
Net-(R54-Pad1): length 2.1
  Top w0.305: SWRet1.3 283.31,76.04
Net-(R55-Pad1): length 3.4
  Top w0.25: R55.1 36.93,77.14 SWTab1.3
Net-(R56-Pad1): length 3.5
  Top w0.305: SWFn2.3 103.61,127.72 103.35,127.98
Net-(R57-Pad1): length 3.4
  Top w0.25: R57.1 307.63,54.76 SWCps1.3
Net-(R58-Pad1): length 3.6
  Top w0.305: SWFn4.3 160.76,127.47 R58.1
Net-(R59-Pad1): length 3.5
  Top w0.305: R59.1 272.68,38.92 SWRightSft1.3
Net-(R60-Pad1): length 5.4
  Top w0.305: R60.1 302.6,97.01 297.54,97.01
Net-(R61-Pad1): length 3.4
  Top w0.25: SWCtl1.3 92.89,19.79 R61.1
Net-(R62-Pad1): length 3.5
  Top w0.25: R62.1 44.08,38.81 SWLeftSft1.3
Net-(R63-Pad1): length 3.5
  Top w0.25: SWStart1.3 217.91,127.53 R63.1
Net-(R64-Pad1): length 3.5
  Top w0.25: SWSelect1.3 246.48,127.6 R64.1
Net-(R65-Pad1): length 3.5
  Top w0.305: SWOption1.3 275.07,127.71 R65.1
Net-(R66-Pad1): length 3.5
  Top w0.305: SWReset1.3 303.63,127.6 R66.1
Net-(R67-Pad1): length 3.5
  Top w0.25: R67.1 39.31,57.84 SWCtlCaps1.3
Net-(R68-Pad2): length 3.4
  Top w0.25: R68.2 238.15,19.79 SWBrk2.3
Net-(SW1-Pad2): length 3.2
  Top w0.305: SW1.2 53.51,81.39 53.51,79.59
Net-(SW2-Pad2): length 3.2
  Top w0.305: D104.2 72.56,81.39 SW2.2
Net-(SW4-Pad2): length 3.1
  Top w0.305: SW4.2 110.58,81.47 D88.2
